# Altium PCB pqm_v2.PcbDoc (part 3 of 3)
Units mm, origin at the board's own origin, x right, y up, seen from the top; angles counter-clockwise.
Board outline 137 x 84 mm, 2 copper layers (Top Layer, Bottom Layer); 276 components, 232 nets, 965 pads, 175 vias.
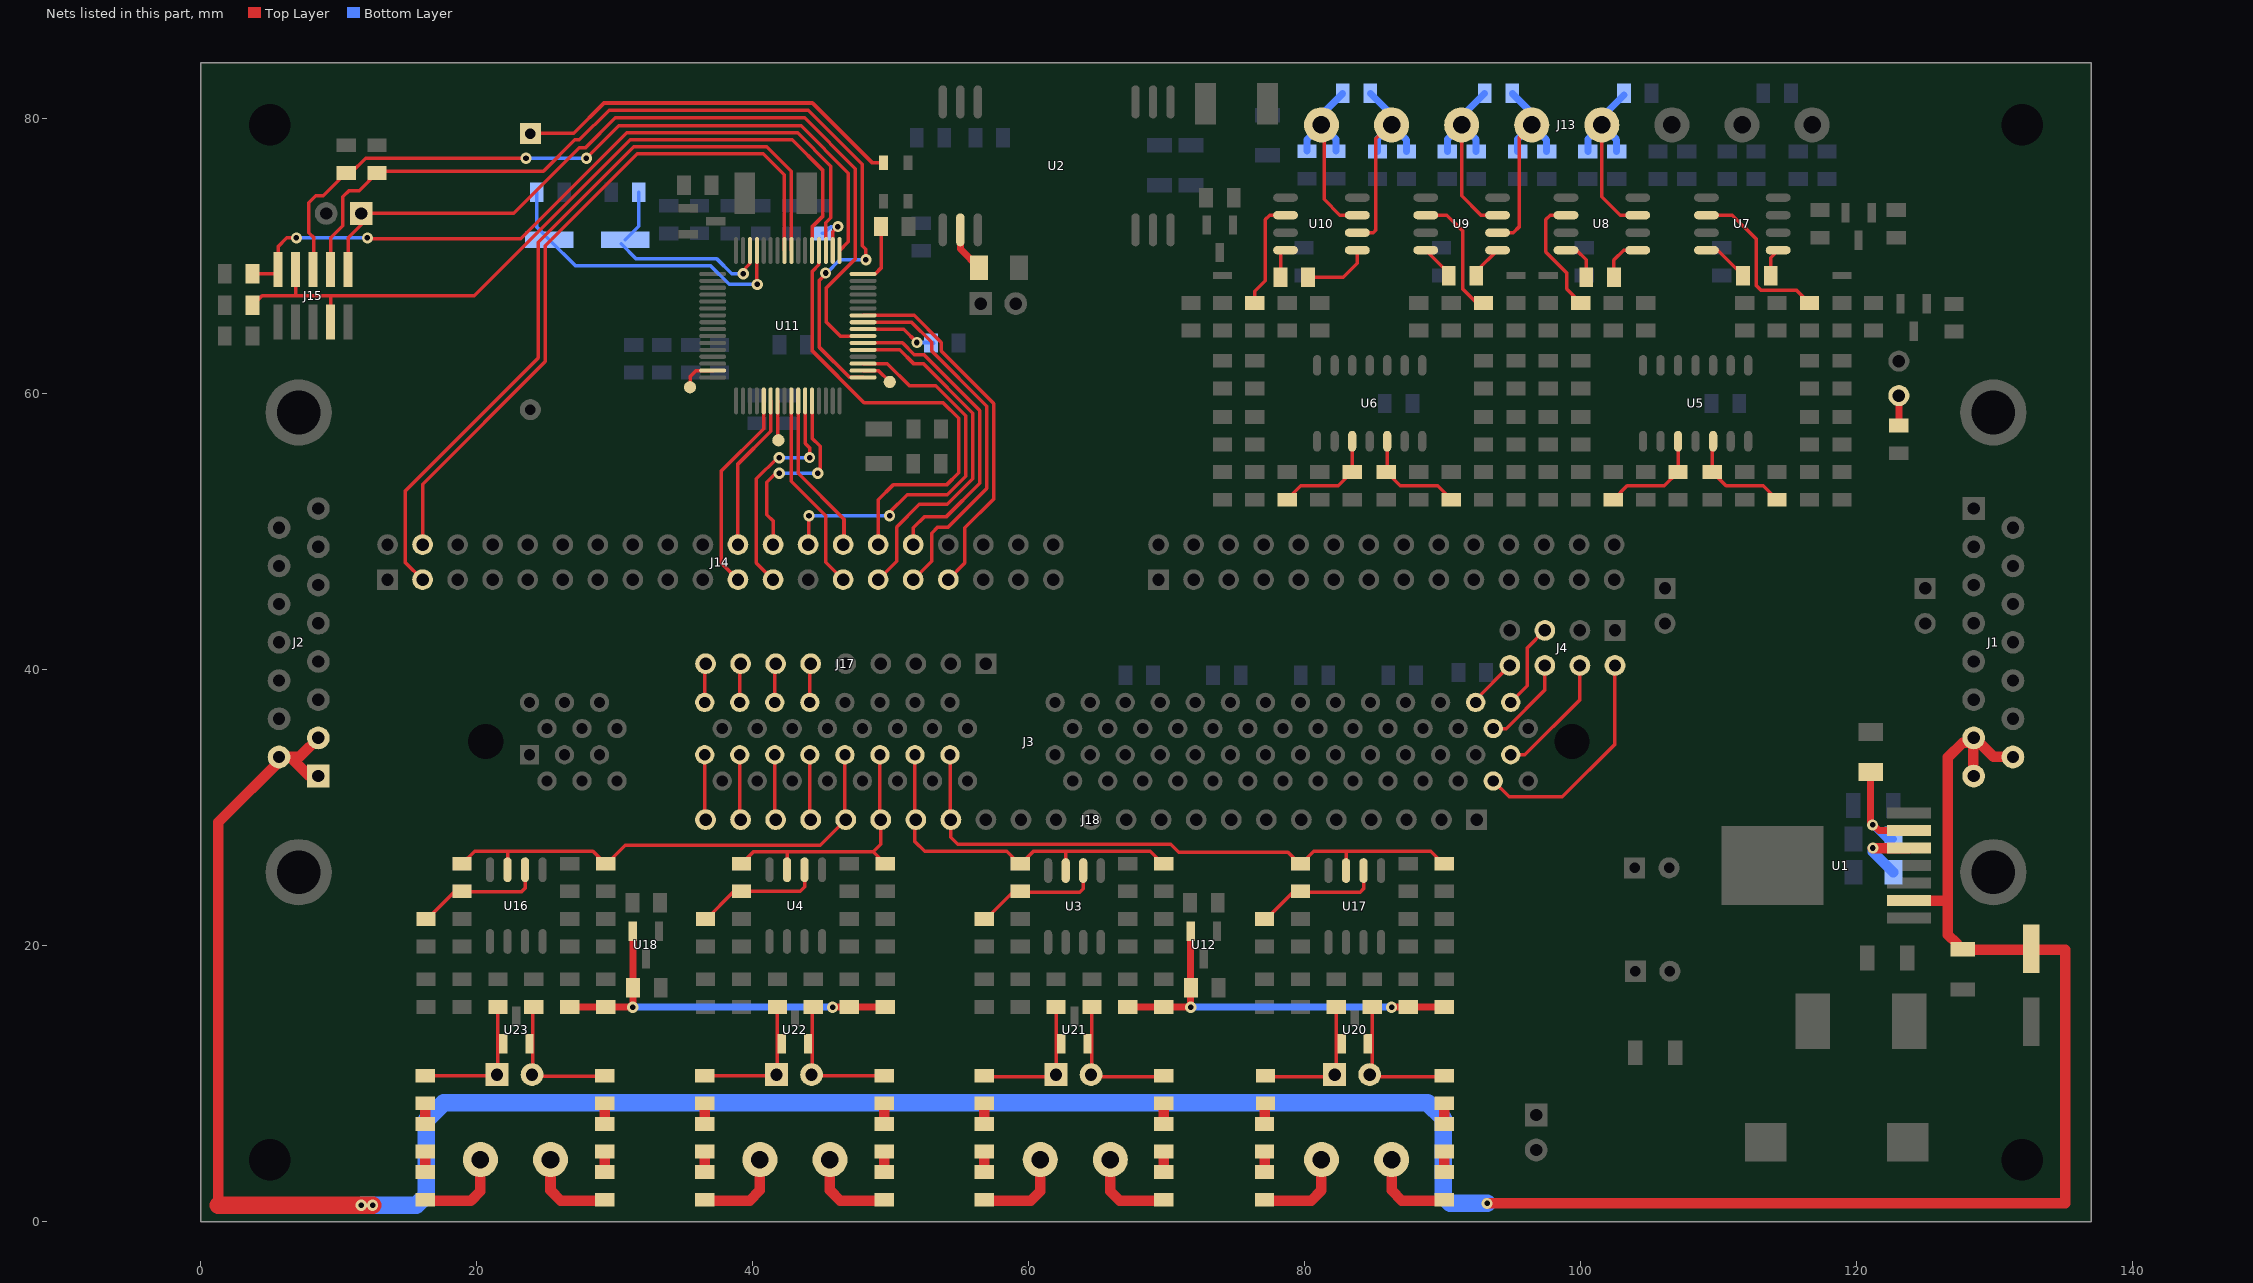
[diagram p3: the nets of this part, all layers, seen from the top]

## Via types
v1: diameter 0.813, hole 0.406, Top Layer to Bottom Layer, tented both sides, 163 vias
v2: diameter 1.397, hole 0.813, Top Layer to Bottom Layer, 12 vias

## Nets (pads, with @x,y where several pads share a name; then routed paths per layer and width w, separated by ;. In a path a pad name is that pad's centre, name@x,y a point inside that pad or via, vN(x,y) a via of type N, cw(c..) or ccw(c..) an arc to the next point about the centre after c; other vN are vias at no path point) (continued)
NetC82_2: C82.2 J13.4 R63.1 R113.1 U8.3 | length 16.5
  Top Layer w0.254: J13.4@101.536,79.502 101.536,74.295 102.87,72.962 U8.3@104.136,72.962
  Bottom Layer w0.508: C82.2@100.521,77.581 100.521,78.486 J13.4@101.536,79.502 102.616,78.423 R113.1@102.616,77.581 ; J13.4@100.727,79.248 R63.1@103.14,81.661
NetC83_1: C83.1 J13.5 R70.2 R115.2 U9.2 | length 17.6
  Top Layer w0.254: U9.2@93.976,71.691 95.123,71.691 95.567,72.136 95.567,78.613 J13.5@96.456,79.502
  Bottom Layer w0.508: R70.2@95.044,81.788 J13.5@97.456,79.375 ; C83.1@95.44,77.581 95.44,78.486 J13.5@96.456,79.502 97.536,78.422 R115.2@97.536,77.581
NetC84_2: C84.2 J13.6 R70.1 R117.1 U9.3 | length 16.4
  Top Layer w0.254: J13.6@91.376,79.502 91.376,74.358 92.773,72.962 U9.3@93.976,72.962
  Bottom Layer w0.508: C84.2@90.337,77.581 90.337,78.462 J13.6@91.376,79.502 92.432,78.446 R117.1@92.432,77.581 ; J13.6@90.63,79.375 R70.1@93.044,81.788
NetC85_1: C85.1 J13.7 R76.2 R119.2 U10.2 | length 18.5
  Top Layer w0.254: U10.2@83.816,71.691 84.963,71.691 85.153,71.882 85.153,78.486 J13.7@86.169,79.502
  Bottom Layer w0.508: R76.2@84.757,81.788 J13.7@87.233,79.312 ; C85.1@85.28,77.581 85.28,78.486 J13.7@86.296,79.502 ; J13.7@86.296,78.661 J13.7@86.296,79.502 ; R119.2@87.376,77.581 87.376,78.422 J13.7@86.296,79.502
NetC86_2: C86.2 J13.8 R76.1 R121.1 U10.3 | length 16.4
  Top Layer w0.254: J13.8@81.216,79.502 81.407,79.311 81.407,74.105 82.55,72.962 U10.3@83.816,72.962
  Bottom Layer w0.508: C86.2@80.161,77.598 80.161,78.446 J13.8@81.216,79.502 82.256,78.462 R121.1@82.256,77.598 ; J13.8@80.407,79.439 R76.1@82.757,81.788
NetD3_2: D3.2 J19.1 | length 28.2
  Top Layer w0.254: J19.1@24.003,78.898 27.018,78.898 29.21,81.09 44.323,81.09 48.638,76.775 D3.2@49.466,76.775
NetD8_1: D8.1 R102.1 | length 2.2
  Top Layer w0.508: R102.1@123.063,57.705 D8.1@123.063,59.88
NetJ3_7: J3.7 J18.23 | length 4.7
  Top Layer w0.254: J18.23@36.513,29.146 J3.7@36.513,33.848
NetJ3_9: J3.9 J18.22 | length 4.7
  Top Layer w0.254: J18.22@39.053,29.146 J3.9@39.053,33.848
NetJ3_11: J3.11 J18.21 | length 4.7
  Top Layer w0.254: J18.21@41.593,29.146 J3.11@41.593,33.848
NetJ3_13: J3.13 J18.20 | length 5
  Top Layer w0.254: J18.20@44.133,28.829 J3.13@44.133,33.848
NetJ3_57: J3.57 J17.9 | length 2.7
  Top Layer w0.254: J3.57@36.513,37.648 J17.9@36.513,40.386
NetJ3_59: J3.59 J17.8 | length 2.7
  Top Layer w0.254: J3.59@39.053,37.648 J17.8@39.053,40.386
NetJ3_61: J3.61 J17.7 | length 2.7
  Top Layer w0.254: J3.61@41.593,37.648 J17.7@41.593,40.386
NetJ3_63: J3.63 J17.6 | length 2.7
  Top Layer w0.254: J3.63@44.133,37.648 J17.6@44.133,40.386
NetJ5_1: J5.1 R19.2 | length 6.7
  Top Layer w0.762: R19.2@77.089,1.54 80.47,1.54 81.216,2.286 J5.1@81.216,4.508
NetJ5_2: J5.2 R25.2 | length 6.3
  Top Layer w0.762: J5.2@86.296,4.508 86.296,2.286 87.043,1.54 R25.2@90.107,1.54
NetJ6_1: J6.1 R21.2 R123.1 U20.1 | length 9.7
  Top Layer w0.254: R123.1@77.153,10.525 81.518,10.525 82.296,11.303 R21.2@82.296,15.573
NetJ6_2: J6.2 R26.1 R27.2 U20.2 | length 10
  Top Layer w0.254: J6.2@84.709,11.303 85.487,10.525 R26.1@90.107,10.525 ; J6.2@84.9,11.303 R27.2@84.9,15.573
NetJ7_1: J7.1 R5.2 | length 6.6
  Top Layer w0.762: R5.2@56.769,1.54 60.15,1.54 60.833,2.222 J7.1@60.833,4.508
NetJ7_2: J7.2 R11.2 | length 6.4
  Top Layer w0.762: J7.2@65.913,4.508 65.913,2.222 66.596,1.54 R11.2@69.787,1.54
NetJ8_1: J8.1 R7.1 R120.2 U21.1 | length 10
  Top Layer w0.254: R7.1@56.769,10.525 61.198,10.525 61.658,10.986 61.992,10.986 61.976,11.001 R120.2@61.976,15.573
NetJ8_2: J8.2 R13.1 R122.2 U21.2 | length 9.8
  Top Layer w0.254: R122.2@64.58,15.573 64.579,15.192 64.579,11.239 65.294,10.525 R13.1@69.787,10.525
NetJ9_1: J9.1 R33.2 | length 6.5
  Top Layer w0.762: R33.2@36.513,1.54 39.767,1.54 40.513,2.286 J9.1@40.513,4.508
NetJ9_2: J9.2 R118.2 | length 6.5
  Top Layer w0.762: J9.2@45.593,4.508 45.593,2.286 46.339,1.54 R118.2@49.53,1.54
NetJ10_1: J10.1 R34.1 R35.2 U22.1 | length 9.6
  Top Layer w0.254: R34.1@36.513,10.604 41.021,10.604 41.719,11.303 41.783,11.367 41.783,15.256 R35.2@41.847,15.192
NetJ10_2: J10.2 R40.1 R41.2 U22.2 | length 9.8
  Top Layer w0.254: R41.2@44.387,15.573 44.323,15.51 44.323,11.239 44.958,10.604 R40.1@49.53,10.604
NetJ11_1: J11.1 R47.2 | length 6.6
  Top Layer w0.762: R47.2@16.256,1.54 19.574,1.54 20.256,2.222 J11.1@20.256,4.508
NetJ11_2: J11.2 R114.2 | length 6.5
  Top Layer w0.762: J11.2@25.336,4.508 25.336,2.286 26.083,1.54 R114.2@29.274,1.54
NetJ12_1: J12.1 R48.1 R49.2 U23.1 | length 9.8
  Top Layer w0.254: R48.1@16.256,10.588 20.748,10.588 21.526,11.367 R49.2@21.527,15.573
NetJ12_2: J12.2 R54.1 R55.2 U23.2 | length 9.9
  Top Layer w0.254: R55.2@24.13,15.573 24.066,15.51 24.066,11.239 24.765,10.541 R54.1@29.274,10.541
NetR1_2: R1.2 R3.1 U1.6 | length 8.9
  Top Layer w0.508: R1.2@121.021,32.956 121.021,28.966 121.625,28.362 U1.6@123.793,28.362
  Bottom Layer w0.508: v1(121.158,28.765) 122.174,27.749 R3.1@122.671,27.749
NetR2_2: R2.2 U1.5 | length 5
  Top Layer w0.762: v1(121.18,27.092) U1.5@123.793,27.092
  Bottom Layer w0.762: v1(121.18,27.092) 121.18,26.828 R2.2@122.672,25.336
NetR4_1: R4.1 R17.2 U3.6 | length 9.5
  Top Layer w0.254: R4.1@56.769,21.828 58.833,23.892 63.706,23.892 63.944,24.13 U3.6@63.944,25.46
NetR5_1: R5.1 R6.2 | length 1.5
  Top Layer w0.762: R5.1@56.769,3.54 R5.1@56.769,3.603 R6.2@56.769,5.032
NetR6_1: R6.1 R7.2 | length 1.5
  Top Layer w0.762: R6.1@56.769,7.032 R6.1@56.769,7.096 R7.2@56.769,8.525
NetR11_1: R11.1 R12.2 | length 1.5
  Top Layer w0.762: R11.1@69.787,3.54 R11.1@69.787,3.603 R12.2@69.787,5.032
NetR12_1: R12.1 R13.2 | length 1.5
  Top Layer w0.762: R12.1@69.787,7.032 R12.1@69.787,7.096 R13.2@69.787,8.525
NetR18_1: R18.1 U7.8 | length 3.4
  Top Layer w0.254: U7.8@109.114,70.421 109.935,70.421 R18.1@111.776,68.58
NetR18_2: R18.2 U7.1 | length 2.1
  Top Layer w0.254: R18.2@113.776,68.58 113.776,69.884 U7.1@114.314,70.421
NetR19_1: R19.1 R20.2 | length 1.5
  Top Layer w0.762: R19.1@77.089,3.54 R19.1@77.089,3.603 R20.2@77.089,5.032
NetR20_1: R20.1 R123.2 | length 1.4
  Top Layer w0.762: R20.1@77.089,7.032 R20.1@77.089,7.096 R123.2@77.089,8.461
NetR25_1: R25.1 R124.2 | length 1.5
  Top Layer w0.762: R25.1@90.107,3.54 R25.1@90.107,3.603 R124.2@90.107,5.032
NetR26_2: R26.2 R124.1 | length 1.5
  Top Layer w0.762: R124.1@90.107,7.032 R124.1@90.107,7.096 R26.2@90.107,8.525
NetR28_2: R28.2 R31.1 U17.6 | length 9.5
  Top Layer w0.254: R31.1@77.089,21.828 79.153,23.892 84.026,23.892 84.264,24.13 U17.6@84.264,25.46
NetR33_1: R33.1 R116.2 | length 1.5
  Top Layer w0.762: R33.1@36.513,3.619 R116.2@36.513,5.096 R116.2@36.513,5.112
NetR34_2: R34.2 R116.1 | length 1.5
  Top Layer w0.762: R116.1@36.513,7.112 R34.2@36.513,8.588 R34.2@36.513,8.604
NetR39_1: R39.1 R40.2 | length 1.5
  Top Layer w0.762: R39.1@49.53,7.112 R40.2@49.53,8.588 R40.2@49.53,8.604
NetR39_2: R39.2 R118.1 | length 1.5
  Top Layer w0.762: R118.1@49.53,3.619 R39.2@49.53,5.096 R39.2@49.53,5.112
NetR42_2: R42.2 R45.1 U4.6 | length 9.4
  Top Layer w0.254: R45.1@36.576,21.891 38.64,23.955 R42.2@39.18,23.955 43.434,23.955 43.752,24.273 U4.6@43.752,25.523
NetR47_1: R47.1 R112.2 | length 1.5
  Top Layer w0.762: R47.1@16.256,3.603 R112.2@16.256,5.096
NetR48_2: R48.2 R112.1 | length 1.5
  Top Layer w0.762: R112.1@16.256,7.096 R48.2@16.256,8.588
NetR53_1: R53.1 R54.2 | length 1.5
  Top Layer w0.762: R53.1@29.274,7.096 R54.2@29.274,8.588
NetR53_2: R53.2 R114.1 | length 1.5
  Top Layer w0.762: R114.1@29.274,3.603 R53.2@29.274,5.096
NetR56_2: R56.2 R59.1 U16.6 | length 9.5
  Top Layer w0.254: R59.1@16.32,21.875 18.384,23.939 23.241,23.939 23.495,24.194 U16.6@23.495,25.523
NetR60_1: R60.1 U2.16 | length 3.2
  Top Layer w0.508: U2.16@55.038,71.835 55.038,70.512 R60.1@56.399,69.151
NetR64_1: R64.1 U8.8 | length 2.6
  Top Layer w0.254: U8.8@98.937,70.421 99.695,70.421 100.393,69.723 R64.1@100.393,68.897
NetR64_2: R64.2 U8.1 | length 3.3
  Top Layer w0.254: R64.2@102.41,68.453 102.41,69.707 103.124,70.421 U8.1@104.136,70.421
NetR65_2: R65.2 U7.6 | length 12.1
  Top Layer w0.254: U7.6@109.097,72.962 U7.6@109.114,72.962 110.998,72.962 112.712,71.247 112.712,67.882 113.093,67.501 115.665,67.501 R65.2@116.586,66.579
NetR68_1: R68.1 R69.2 U5.12 | length 7.9
  Top Layer w0.254: R68.1@109.538,54.213 109.538,56.496 U5.12@109.601,56.559 ; R68.1@109.538,54.34 110.538,53.34 113.236,53.34 R69.2@114.237,52.34
NetR71_1: R71.1 U9.8 | length 2.6
  Top Layer w0.254: U9.8@88.853,70.421 U9.8@88.777,70.421 90.44,68.758 R71.1@90.44,68.58
NetR71_2: R71.2 U9.1 | length 2.5
  Top Layer w0.254: R71.2@92.44,68.58 92.44,68.885 U9.1@93.976,70.421
NetR77_1: R77.1 U10.8 | length 1.6
  Top Layer w0.254: R77.1@78.248,68.453 78.248,70.053
NetR77_2: R77.2 U10.1 | length 4.9
  Top Layer w0.254: R77.2@80.248,68.453 82.804,68.453 83.816,69.465 U10.1@83.816,70.421
NetR78_2: R78.2 U8.6 | length 8.7
  Top Layer w0.254: U8.6@98.937,72.962 97.79,72.962 97.472,72.644 97.472,70.294 98.996,68.77 98.996,67.611 R78.2@100.012,66.596
NetR81_1: R81.1 R82.2 U5.10 | length 7.9
  Top Layer w0.254: R82.2@102.362,52.34 103.362,53.34 106.061,53.34 R81.1@107.061,54.34 ; R81.1@107.061,54.213 U5.10@107.061,56.559
NetR91_2: R91.2 U9.6 | length 9.4
  Top Layer w0.254: U9.6@88.777,72.962 90.297,72.962 91.44,71.819 91.44,67.627 92.472,66.596 R91.2@92.964,66.596 R91.2@92.9,66.659
NetR94_1: R94.1 R95.2 U6.12 | length 7.9
  Top Layer w0.254: R94.1@85.979,54.292 U6.12@85.979,56.572 U6.12@85.979,56.575 ; R94.1@85.979,54.419 85.916,54.356 86.932,53.34 89.631,53.34 R95.2@90.615,52.356
NetR96_2: R96.2 U11.50 | length 3.2
  Top Layer w0.254: U11.50@45.792,70.4 45.792,71.756 v1(46.165,72.129)
  Bottom Layer w0.254: R96.2@45.022,71.637 45.165,71.637 45.657,72.129 v1(46.165,72.129)
NetR97_2: R97.2 U11.40 | length 5.5
  Top Layer w0.254: U11.40@47.992,64.7 50.928,64.7 v1(51.896,63.731)
  Bottom Layer w0.254: v1(51.896,63.731) 53.062,63.731 R97.2@53.102,63.691
NetR104_2: R104.2 U10.6 | length 8.3
  Top Layer w0.254: R104.2@76.391,66.484 R104.2@76.391,66.579 ; R104.2@76.622,66.579 R104.2@76.391,66.579 ; U10.6@78.617,72.962 77.47,72.962 77.153,72.644 77.153,68.199 76.391,67.437 R104.2@76.391,66.579
NetR107_1: R107.1 R108.2 U6.10 | length 7.9
  Top Layer w0.254: R108.2@78.74,52.356 79.724,53.34 82.423,53.34 R107.1@83.439,54.356 ; R107.1@83.439,54.229 U6.10@83.439,56.572 U6.10@83.439,56.575
NetR109_1: R109.1 U11.48 | length 4.2
  Top Layer w0.254: U11.48@47.992,68.7 48.864,68.7 49.292,69.128 R109.1@49.292,71.882
PA6: pad.34 U11.34 | length 2.3
  Top Layer w0.254: U11.34@47.992,61.7 49.102,61.7 pad.34@49.928,60.874
PA23: pad.2@35.45,60.493 U11.15 | length 2.6
  Top Layer w0.254: pad.2@35.45,60.493 35.45,61.255 35.895,61.7 U11.15@37.092,61.7
PA24: pad.2@41.851,56.642 U11.23 | length 2.9
  Top Layer w0.254: U11.23@41.792,59.499 41.792,56.702 pad.2@41.851,56.642
PB8: C95.1 U11.61 Y2.1 | length 22.7
  Top Layer w0.254: U11.61@40.292,70.4 40.292,67.976 v1(40.322,67.945)
  Bottom Layer w0.254: C95.1@24.337,74.612 24.337,72.1 Y2.1@25.254,71.183 27.159,69.278 36.957,69.278 38.291,67.945 v1(40.322,67.945)
PB9: C96.1 U11.62 Y2.2 | length 15.4
  Top Layer w0.254: v1@39.187,68.827 39.792,69.431 U11.62@39.792,70.4
  Bottom Layer w0.254: Y2.2@30.458,70.888 31.559,69.787 37.401,69.787 38.481,68.707 v1(39.306,68.707) ; Y2.2@30.753,71.183 31.734,72.164 C96.1@31.734,74.613
R\E\S\E\T\: J15.10 J16.1 U11.39 | length 60.1
  Top Layer w0.254: J15.10@10.668,69.025 10.668,71.31 11.62,72.263 J16.1@11.62,73.088 22.669,73.088 27.432,77.851 27.877,77.851 30.035,80.01 43.752,80.01 47.435,76.326 47.435,70.421 47.435,70.039 ; 47.434,70.421 47.434,70.039 47.434,69.781 45.34,67.686 45.34,65.208 46.348,64.2 U11.39@47.992,64.2
SD_CD: J14.27 U11.25 | length 14.5
  Top Layer w0.254: U11.25@42.791,59.499 42.791,53.665 45.276,51.181 45.276,47.816 J14.27@46.545,46.545
SD_MCCDA: J14.32 U11.38 | length 23.1
  Top Layer w0.254: U11.38@47.992,63.7 50.848,63.7 51.706,62.842 52.41,62.842 56.451,58.801 56.451,53.53 54.038,51.117 52.451,51.117 51.625,50.292 J14.32@51.625,49.085
SD_MCCK: J14.31 U11.41 | length 27.1
  Top Layer w0.254: U11.41@47.992,65.2 51.505,65.2 52.959,63.746 52.959,63.119 56.959,59.118 56.959,53.149 54.165,50.355 53.404,50.355 52.959,49.911 52.959,47.879 J14.31@51.625,46.545
SD_MCDA0: J14.33 U11.42 | length 26.6
  Top Layer w0.254: U11.42@47.992,65.7 51.688,65.7 53.657,63.73 53.657,63.119 57.468,59.309 57.468,52.387 55.372,50.292 55.372,47.752 J14.33@54.165,46.545
SD_MCDA1: J14.30 U11.52 | length 33.9
  Top Layer w0.254: U11.52@44.792,70.4 44.792,69.364 44.324,68.896 44.324,63.112 48.063,59.372 53.785,59.372 54.927,58.229 54.927,54.292 54.038,53.404 50.165,53.404 49.085,52.324 J14.30@49.085,49.085
SD_MCDA2: J14.28 U11.26 | length 11.8
  Top Layer w0.254: U11.26@43.292,59.499 43.292,54.244 46.609,50.927 J14.28@46.609,49.085
SD_MCDA3: J14.29 U11.37 | length 25.9
  Top Layer w0.254: U11.37@47.992,63.2 50.65,63.2 51.642,62.207 52.347,62.207 55.944,58.61 55.944,53.848 54.102,52.006 52.07,52.006 50.419,50.355 50.419,47.879 J14.29@49.085,46.545
SPI_MISO: J14.23 U11.27 | length 16.5
  Top Layer w0.254: J14.23@41.465,46.545 40.259,47.752 40.259,53.848 41.799,55.388 v1@42.211,55.388 ; U11.27@43.791,59.499 43.791,56.412 44.116,56.087 v1(44.116,55.388)
  Bottom Layer w0.254: v1@42.211,55.388 v1(44.116,55.388)
  other v1: 41.91,55.372
SPI_MOSI: J14.22 U11.22 | length 11.4
  Top Layer w0.254: J14.22@38.925,49.085 38.925,54.927 41.291,57.293 U11.22@41.291,59.499
SPI_NPCS0: J14.24 U11.28 | length 14.1
  Top Layer w0.254: J14.24@41.465,49.085 41.465,50.8 41.021,51.244 41.021,53.594 v1@41.783,54.356 ; U11.28@44.292,59.499 44.292,56.8 44.878,56.214 44.878,54.429 v1(44.704,54.254)
  Bottom Layer w0.254: v1(41.91,54.254) v1(44.704,54.254)
SPI_NPCS3: J14.26 U11.35 | length 27.9
  Top Layer w0.254: J14.26@44.069,49.085 v1(44.069,51.181) ; U11.35@47.992,62.2 49.745,62.2 51.356,60.588 53.268,60.588 55.435,58.42 55.435,54.038 54.102,52.705 51.181,52.705 v1@49.911,51.435
  Bottom Layer w0.254: v1(44.069,51.181) v1(49.911,51.181)
SPI_SPCK: J14.21 U11.21 | length 14.7
  Top Layer w0.254: J14.21@38.925,46.545 37.719,47.752 37.719,54.419 40.792,57.492 U11.21@40.792,59.499
TCK: J15.4 J15.7 R89.1 U11.53 | length 57.1
  Top Layer w0.254: R89.1@3.73,66.421 4,66.691 4.429,67.12 6.858,67.12 9.398,67.12 ; 6.858,67.183 J15.4@6.858,69.025 ; J15.7@9.398,65.215 9.398,67.12 ; U11.53@44.292,70.4 44.292,72.105 45.085,72.898 45.085,76.2 42.862,78.422 31.115,78.422 19.812,67.12 9.398,67.12
TCK_DSP: J3.48 J4.2 | length 16.6
  Top Layer w0.254: J3.48@93.663,31.948 94.813,30.797 98.679,30.797 102.489,34.608 J4.2@102.489,40.322
TDI: J15.8 R83.1 U11.33 | length 67.7
  Top Layer w0.254: J15.8@9.398,69.025 9.398,71.31 10.287,72.2 10.287,74.295 10.731,74.739 11.477,74.739 R83.1@12.763,76.026 ; R83.1@12.874,76.136 24.828,76.136 27.107,78.415 27.218,78.415 27.225,78.422 27.432,78.422 29.584,80.575 44.012,80.575 47.942,76.644 47.942,70.739 48.197,70.485 v1(48.197,69.723) v1@48.006,69.913 ; v1(45.276,68.77) 45.333,68.77 45.34,68.764 44.832,68.256 44.832,63.372 47.004,61.2 U11.33@47.992,61.2
  Bottom Layer w0.254: v1(45.276,68.77) 45.333,68.77 45.34,68.764 46.299,69.723 v1(48.197,69.723)
TDI_DSP: J3.97 J4.8 | length 3.7
  Top Layer w0.254: J3.97@92.393,37.648 92.393,37.846 J4.8@94.869,40.322
TDO: J15.6 R84.1 U11.49 | length 53.3
  Top Layer w0.254: J15.6@8.191,69.088 8.191,71.31 7.81,71.691 7.81,73.85 8.319,74.358 8.874,74.358 R84.1@10.541,76.026 ; R84.1@10.875,76.026 11.938,77.089 v1(23.558,77.089) ; v1(27.94,77.089) 30.29,79.438 43.497,79.438 46.927,76.009 46.927,71.035 U11.49@46.291,70.4
  Bottom Layer w0.254: v1(23.558,77.089) v1(27.94,77.089)
TDO_DSP: J3.98 J4.6 | length 6.7
  Top Layer w0.254: J3.98@93.663,35.748 94.613,35.748 97.409,38.544 J4.6@97.409,40.322
TMS: J15.2 R90.1 U11.51 | length 54
  Top Layer w0.254: R90.1@3.73,68.707 J15.2@5.588,68.707 ; J15.2@5.588,69.025 5.588,70.675 6.223,71.31 v1(6.921,71.31) ; v1@12.065,71.247 23.177,71.247 30.861,78.93 43.243,78.93 45.657,76.517 45.657,72.779 45.276,72.399 U11.51@45.276,70.732
  Bottom Layer w0.254: v1(6.921,71.31) v1(12.065,71.31)
TMS_DSP: J3.49 J4.4 | length 9.1
  Top Layer w0.254: J3.49@94.933,33.848 95.951,33.848 99.949,37.846 J4.4@99.949,40.322
TRSTN: J3.99 J4.5 | length 6.2
  Top Layer w0.254: J3.99@94.933,37.648 96.139,38.854 96.139,41.593 J4.5@97.409,42.862
USB_DDM: J14.3 U11.56 | length 56.7
  Top Layer w0.254: J14.3@16.066,46.545 14.795,47.816 14.795,52.959 24.447,62.611 24.447,70.993 31.369,77.915 41.021,77.915 42.791,76.144 U11.56@42.791,70.4
USB_DDP: J14.4 U11.57 | length 51.5
  Top Layer w0.254: J14.4@16.066,49.085 16.066,53.467 24.956,62.357 24.956,70.739 31.623,77.406 40.767,77.406 42.292,75.882 U11.57@42.292,70.4
VIN: C2.1 C3.1 J1.7 J1.8 J1.15 J2.1 J2.2 J2.9 U1.2 | length 235.1
  Top Layer w0.762: 1.27,1.206 1.27,28.956 6.004,33.69 7.122,33.69 7.872,34.44 ; J2.9@6.487,33.69 J2.1@7.872,32.305 ; v1(93.218,1.333) 135.128,1.333 135.128,19.731 C3.1@127.906,19.731 ; U1.2@123.793,23.282 126.619,23.282 ; C3.1@127.254,19.939 127.254,20.183 126.619,20.818 126.619,33.655 127.698,34.734 128.905,34.734 129.949,33.69 J1.15@130.546,33.69 ; J1.8@128.46,33.005 J1.7@128.46,35.075
  Top Layer w1.27: 1.27,1.206 v1(12.446,1.206)
  Bottom Layer w1.27: v1@11.7,1.206 15.621,1.206 16.319,1.905 16.319,7.366 17.59,8.636 88.9,8.636 90.043,7.493 90.043,1.841 90.551,1.333 v1(93.218,1.333)
  other v1: 11.62,1.206
VL1: C16.2 J3.21 J18.16 R28.1 U17.7 | length 44.7
  Top Layer w0.254: J18.16@54.293,29.146 J3.21@54.293,33.848 ; J18.16@54.356,29.146 54.356,27.877 54.864,27.368 70.294,27.368 70.866,26.797 78.788,26.797 79.693,25.892 80.661,26.86 82.995,26.86 ; U17.7@82.995,25.46 82.995,26.86 ; C16.2@90.106,25.892 89.138,26.86 82.995,26.86
VL2: C9.2 J3.19 J18.17 R17.1 U3.7 | length 27.2
  Top Layer w0.254: J3.19@51.753,33.848 51.753,27.559 52.451,26.86 58.404,26.86 59.373,25.892 60.341,26.86 62.674,26.86 ; U3.7@62.674,25.46 62.674,26.86 ; C9.2@69.786,25.892 68.818,26.86 62.674,26.86
VL3: C74.2 J3.17 J18.18 R42.1 U4.7 | length 19.2
  Top Layer w0.254: R42.1@39.18,25.955 40.046,26.822 48.727,26.822 ; U4.7@42.481,25.523 42.481,26.75 ; J18.18@49.213,29.146 J3.17@49.213,33.848 ; C74.2@49.276,26.273 48.727,26.822 ; J18.18@49.276,29.146 49.276,27.372 48.727,26.822
VL4: C28.2 J3.15 J18.19 R56.1 U16.7 | length 35.9
  Top Layer w0.254: R56.1@18.923,25.939 19.844,26.86 28.416,26.86 C28.2@29.337,25.94 ; U16.7@22.225,25.523 22.225,26.797 ; C28.2@29.337,25.876 30.766,27.305 44.895,27.305 J18.19@46.736,29.146 ; J18.19@46.673,29.146 J3.15@46.673,33.848
VL_1V5_A: C10.1 C17.1 C73.1 R15.2 R29.2 U12.2 | length 28.8
  Top Layer w0.508: R15.2@67.183,15.573 C10.1@69.786,15.574 ; C10.1@69.866,15.494 C10.1@69.786,15.574 ; v1(71.739,15.557) v1@71.723,15.574 ; U12.2@71.742,21.066 71.739,21.063 71.739,15.574 v1@71.723,15.574 ; v1(86.296,15.557) 87.487,15.557 R29.2@87.503,15.573 ; R29.2@87.233,15.573 R29.2@87.503,15.573 ; C17.1@90.106,15.574 R29.2@87.503,15.573 ; C10.1@69.786,15.574 v1@71.723,15.574
  Bottom Layer w0.508: v1@71.806,15.557 v1(86.296,15.557)
VL_1V5_B: C22.1 C29.1 C90.1 R43.2 R57.2 U18.2 | length 28.7
  Top Layer w0.508: R57.2@26.734,15.573 31.305,15.573 31.305,16.939 C90.1@31.308,16.941 ; U18.2@31.308,21.066 C90.1@31.308,16.941 ; C90.1@31.322,16.955 C90.1@31.308,16.941 ; v1(45.783,15.557) R43.2@46.672,15.557 ; R43.2@46.974,15.557 R43.2@46.672,15.557 ; C22.1@49.593,15.574 R43.2@46.99,15.573 46.657,15.573 R43.2@46.672,15.557
  Bottom Layer w0.508: v1(31.305,15.557) v1(45.783,15.557)
pads on no net: J1.2 J1.3 J1.10 J1.11 J1.16 J1.17 J2.6 J2.13 J2.16 J2.17 J3.3 J3.4 J3.5 J3.16 J3.18 J3.20 J3.26 J3.28 J3.29 J3.33 J3.34 J3.35 J3.36 J3.40 J3.53 J3.54 J3.55 J3.66 J3.68 J3.70 J3.94 J3.101 J3.102 R32.2 R72.2 R85.2 R98.2 U2.3 U2.15 U2.28 U11.55 U20.3 U21.3 U22.3 U23.3

## Polygon pours and split planes (outlines as drawn)
+5V on Top Layer "GND" (solid, pour order 65): 13.97,21.844 13.97,12.827 12.065,12.827 12.065,34.671 13.97,34.671
+5V on Top Layer "GND" (solid, pour order 61): 35.496,23.368 35.496,12.827 34.036,12.827 34.036,21.844 34.353,22.162
+5V on Top Layer "GND" (solid, pour order 58): 55.562,14.034 55.562,12.827 55.499,12.763 50.8,12.763 50.8,14.034
+5V on Top Layer "GND" (solid, pour order 53): 91.694,15.684 91.694,12.89 91.885,12.7 94.678,12.7 94.678,15.684
VIN on Top Layer "GND" (solid, pour order 102): 0.508,0.508 0.508,33.678 6.475,33.678 6.487,33.69 7.872,35.075 9.461,33.486 9.461,12.763 10.795,11.43 10.795,0.508
VIN on Top Layer "GND" (solid, pour order 92): 135.128,20.32 135.128,3.81 132.651,1.333 130.175,1.333 93.218,1.333 93.218,0.508 136.462,0.508 136.462,20.32
3.3V_ISO on Top Layer "GND" (solid, pour order 90): 50.863,76.2 52.514,74.549 52.959,74.549 52.959,82.423 44.895,82.423 50.863,76.454 50.863,76.2
3.3V_ISO on Top Layer "GND" (solid, pour order 88): 61.785,46.545 61.785,45.212 63.373,45.212 63.373,83.502 9.461,83.502 9.461,78.041 19.621,78.041 23.431,81.852 51.117,81.852 52.625,80.344 52.625,69.231 61.785,60.071
+5V on Top Layer "GND" (solid, pour order 81): 103.759,7.395 103.759,3.873 94.488,3.873 94.488,13.563 103.842,13.563 103.906,13.589
+5V on Top Layer "GND" (solid, pour order 76): 12.7,13.462 13.589,13.462 13.589,21.463 17.081,24.956 17.081,26.479 18.796,28.194 22.479,28.194 19.875,30.797 19.875,30.861 19.875,40.576 18.669,41.783 9.474,41.783 7.872,43.385 7.857,43.37 0.445,43.37 0.445,36.449 0.456,36.46 5.032,36.46 6.417,37.845 7.872,37.845 9.082,37.845 12.7,34.227
+5V on Top Layer "GND" (solid, pour order 67): 34.319,13.399 35.208,13.399 35.208,22.734 37.367,24.893 35.05,24.893 33.208,23.051 33.208,20.926 33.145,20.863 34.165,19.842 34.319,19.842
+5V on Top Layer "GND" (solid, pour order 69): 74.803,13.462 75.692,13.462 75.692,22.796 77.851,24.956 75.533,24.956 73.692,23.114 73.692,20.989 73.628,20.925 74.649,19.905 74.803,19.905
+5V on Top Layer "GND" (solid, pour order 63): 51.054,13.462 55.308,13.462 55.308,22.86 57.387,24.938 53.005,24.938 51.117,23.05
AGND on Top Layer "GND" (solid, pour order 57): 133.286,16.256 129.603,16.256 128.588,17.272 126.746,17.272 126.746,11.557 133.286,11.557
3.3V_ISO on Top Layer "GND" (solid, pour order 84): 13.525,46.545 15.113,44.958 21.59,44.958 23.876,42.672 23.876,30.607 23.177,30.607 22.352,31.432 22.352,42.227 20.32,44.259 13.462,44.259
3.3V_ISO on Top Layer "GND" (solid, pour order 83): 0.508,50.673 0.508,46.355 9.461,46.355 11.557,44.259 13.652,44.259 13.652,47.498 13.525,47.625 4.953,47.625 1.905,50.673
3.3V_ISO on Top Layer "GND" (solid, pour order 95): 9.906,83.502 0.508,83.502 0.508,50.228 2.349,50.228 1.905,50.673 1.905,70.231 9.7,78.026 9.906,78.026
+5V on Top Layer "GND" (solid, pour order 71): 113.405,5.779 113.405,7.245 111.76,8.89 104.775,8.89 103.906,9.759 103.759,9.906 103.759,11.493 101.282,11.493 101.282,5.779
+5V on Top Layer "GND" (solid, pour order 93): 124.142,81.597 124.142,83.502 76.2,83.502 76.2,78.041 76.644,77.597 78.549,77.597 78.549,81.597
NetC32_1 on Top Layer "GND" (solid, pour order 91): 73.343,83.185 73.977,82.55 73.977,80.073 73.977,79.375 73.343,78.74 68.961,78.74 68.263,79.438 68.263,82.55 68.897,83.185
3.3V_ISO on Top Layer "GND" (solid, pour order 87): 13.525,46.545 13.525,49.085 12.128,47.688 12.128,47.625 13.208,46.545 13.525,46.545
NetC1_2 on Top Layer "GND" (solid, pour order 85): 121.475,4.508 125.031,4.508 125.031,21.971 124.904,21.844 122.618,21.844 122.618,16.764 121.475,15.621 121.475,15.494
NetC59_1 on Top Layer "GND" (solid, pour order 79): 42.292,61.898 43.791,63.398 43.791,66.033 43.728,66.097 43.181,66.097 40.636,63.553
AGND on Top Layer "GND" (solid, pour order 89): 66.04,70.04 66.675,69.406 71.438,69.406 72.072,70.04 72.072,73.85 71.438,74.486 69.913,74.486 66.675,74.486 66.04,73.85
+5V on Top Layer "GND" (solid, pour order 96): 125.09,66.548 125.09,71.109 122.863,73.336 121.092,73.336 121.092,78.489 117.983,81.597 124.142,81.597 134.302,71.438 134.302,66.548
AGND on Top Layer "GND" (solid, pour order 82): 107.061,10.795 106.47,11.386 106.47,27.603 106.406,27.666 109.664,30.924 119.062,30.924 119.697,30.29 119.697,20.764 118.554,19.621 118.554,11.43 117.919,10.795
NetC16_1 on Top Layer "GND" (solid, pour order 98): 87.503,21.828 87.503,23.892 90.107,23.892 90.107,21.828
NetC9_1 on Top Layer "GND" (solid, pour order 99): 67.183,21.828 69.786,21.828 69.786,23.892 67.183,23.892
NetC74_1 on Top Layer "GND" (solid, pour order 100): 46.99,21.812 46.99,23.876 49.593,23.876 49.593,21.812
NetC28_1 on Top Layer "GND" (solid, pour order 101): 26.734,21.812 26.734,23.876 29.337,23.876 29.4,23.812 29.4,21.876 29.337,21.812
+5V on Top Layer "GND" (solid, pour order 70): 114.935,7.112 112.776,9.271 101.473,9.271 101.473,3.873 114.935,3.873
+5V on Top Layer "GND" (solid, pour order 52): 94.488,13.081 94.488,15.113 91.757,15.113 91.694,15.176 91.694,30.353 105.855,30.353 103.906,28.404 103.906,13.101 103.886,13.081
+5V on Top Layer "GND" (solid, pour order 56): 99.758,29.845 103.886,33.972 103.886,45.276 98.489,45.276 98.489,50.355 120.713,50.355 120.713,35.369 111.125,35.369 105.6,29.845 105.537,29.845
+5V on Top Layer "GND" (solid, remove dead copper, pour order 59): 120.713,56.197 120.713,35.369 125.095,35.369 127.508,37.782 130.783,37.782 132.053,36.512 136.44,36.512 136.462,36.534 136.462,56.197
+5V on Top Layer "GND" (solid, pour order 66): 124.142,55.944 124.142,63.373 128.333,63.373 128.333,66.532 136.414,66.532 136.462,66.484 136.462,55.944
+5V on Top Layer "GND" (solid, pour order 68): 136.462,66.103 136.462,83.502 122.618,83.502 122.618,76.708 133.223,66.103
NetC54_1 on Top Layer "GND" (solid, pour order 55): 42.989,66.865 42.989,67.945 42.227,68.707 42.227,67.246 40.681,65.7 39.283,65.7 39.874,65.108 39.942,65.041 39.942,64.382 40.704,64.382
VIN on Top Layer "GND" (solid, pour order 62): 9.461,32.893 9.461,34.121 8.507,35.075 7.532,34.099 0.508,34.099 0.508,32.893
+5V on Top Layer "GND" (solid, pour order 73): 0.445,43.37 0.459,43.385 8.507,43.385 10.109,41.783 15.811,41.783 18.669,41.783 19.875,40.576 19.875,30.797
VIN on Top Layer "GND" (solid, pour order 78): 136.462,19.812 127.625,19.812 126.619,20.818 126.619,33.655 128.039,35.075 128.46,35.075 128.501,35.115 129.35,35.115 130.775,33.69 131.328,33.69 131.356,33.718 136.462,33.718
+5V on Top Layer "GND" (solid, pour order 54): 80.264,75.882 74.85,75.882 74.612,76.12 74.612,76.327 74.612,78.105 74.993,78.486 74.993,83.502 78.549,83.502 78.549,77.597
AGND on Bottom Layer "GND" (solid, pour order 77): 21.971,28.702 19.875,30.797 19.875,34.353 19.875,40.64 18.732,41.783 9.474,41.783 7.872,43.385 0.523,43.385 0.508,43.37 0.508,28.702
AGND on Bottom Layer "GND" (solid, pour order 60): 101.6,0.508 94.297,0.508 94.297,14.478 10.795,14.478 10.795,0.508 0.508,0.508 0.508,29.21 21.463,29.21 22.543,28.13 31.75,28.13 32.05,28.43 101.554,28.43 101.6,28.384
GND_ISO on Bottom Layer "GND" (solid, pour order 86): 0.508,83.502 0.508,46.355 9.461,46.355 11.557,44.259 47.561,44.259 48.514,45.212 63.373,45.212 63.373,83.502
AGND on Bottom Layer "GND" (solid, pour order 80): 101.854,44.259 65.849,44.259 65.849,43.561 65.024,42.735 50.292,42.735 49.34,41.783 35.496,41.783 34.417,40.703 34.417,30.797 31.75,28.13 101.79,28.13 101.854,28.067
AGND on Bottom Layer "GND" (solid, pour order 74): 99.554,83.526 65.835,83.526 65.835,43.648 99.554,43.648
AGND on Bottom Layer "GND" (solid, remove dead copper, pour order 64): 136.462,83.502 98.996,83.502 98.996,43.18 136.462,43.18
NetC32_1 on Bottom Layer "GND" (solid, pour order 94): 73.088,76.962 68.326,76.962 68.326,80.391 73.088,80.391
AGND on Bottom Layer "GND" (solid, pour order 72): 136.462,0.508 101.282,0.508 101.282,44.45 136.462,44.483
GND_ISO on Bottom Layer "GND" (solid, pour order 97): 19.685,44.259 20.32,44.259 22.352,42.227 22.352,31.432 23.177,30.607 31.115,30.607 31.941,31.432 31.941,41.783 34.417,44.259 34.925,44.259 34.925,44.895 19.685,44.895
AGND on Bottom Layer "GND" (solid, pour order 75): 5.715,43.37 8.572,43.37 10.16,41.783 11.367,41.783 11.367,41.275 11.303,41.212 5.715,41.212

## Other copper
Bottom Layer:
  pour cut-out: 94.297,27.178 100.203,27.178 100.203,27.432 94.297,27.432
  pour cut-out: 58.737,27.877 70.104,27.877 70.802,27.178 94.615,27.178 94.615,27.432 70.993,27.432 70.294,28.13 58.737,28.13
  pour cut-out: 54.61,36.131 54.61,35.242 55.562,34.417 55.562,33.401 54.673,32.512 54.673,31.559 55.372,30.861 58.293,30.861 58.293,28.13 59.055,28.13 59.055,27.877 57.975,27.877 57.975,30.607 55.245,30.607 54.419,31.432 54.419,32.639 55.308,33.528 55.308,34.29 54.356,35.115 54.356,36.258 55.499,37.401 55.499,38.036 56.578,39.116 57.34,39.116 57.34,38.862 56.706,38.862 55.753,37.91 55.753,37.274
  pour cut-out: 58.102,39.116 60.134,41.148 65.849,41.148 67.501,42.799 67.501,49.022 68.644,50.165 104.521,50.165 104.521,47.879 104.267,47.879 104.267,49.911 68.897,49.911 67.754,48.831 67.754,42.608 66.04,40.894 60.261,40.894 58.229,38.862 57.34,38.862 57.34,39.116

## Silkscreen, mask and mechanical layers (free items; w line width, h text height)
Top Overlay:
  circle w0.254: c132,79.5 r3.5
  circle w0.254: c132,4.5 r3.5
  circle w0.254: c5,4.5 r3.5
  circle w0.254: c5,79.5 r3.5
  lines w0.254: 0.508,46.346 7.47,46.346 ; 0.651,43.385 7.446,43.385 ; 9.207,42.672 10.096,41.783 18.669,41.783 19.875,40.576 19.875,36.131 ; 9.556,46.26 11.112,44.676 11.529,44.259 20.32,44.259 22.352,42.227 22.352,31.432 23.177,30.607 31.115,30.607 31.941,31.432 31.941,41.783 ; 10.795,0.508 10.795,14.478 21.082,14.478 ; 19.875,33.465 19.875,30.797 22.543,28.13 31.75,28.13 34.417,30.797 34.417,40.703 35.496,41.783 49.34,41.783 50.292,42.735 65.024,42.735 65.849,43.561 65.849,64.834 ; 24.638,14.478 41.275,14.478 ; 32.322,42.164 31.941,41.783 ; 44.895,14.478 61.531,14.478 ; 63.373,83.439 63.373,45.212 48.514,45.212 47.561,44.259 34.417,44.259 31.941,41.783 ; 65.215,14.478 81.852,14.478 ; 65.849,64.77 65.849,83.312 ; 74.041,67.31 74.041,68.135 ; 85.281,51.435 107.696,51.435 ; 85.407,14.478 94.297,14.478 94.297,0.508 92.837,0.508 ; 94.297,2.667 106.108,2.667 106.172,2.603 106.172,0.572 ; 95.313,67.31 95.313,68.135 ; 97.663,67.31 97.663,68.135 ; 101.854,3.937 95.504,3.937 95.504,9.017 101.917,9.017 101.917,4 ; 103.759,39.052 90.043,39.052 90.043,44.133 103.759,44.133 ; 107.632,43.307 123.317,43.307 ; 107.632,45.91 123.19,45.91 ; 118.935,67.31 118.935,68.135 ; 119.436,80.137 127.889,80.137 127.889,83.502 ; 0.508,0.508 136.462,0.508 136.462,83.502 0.508,83.502 0.508,0.508 ; 55.245,61.151 55.245,67.818 60.325,67.818 60.325,61.151 55.245,61.151 ; 111.061,35.369 111.061,41.846 119.634,41.846 119.634,35.369 111.061,35.369
  text "I2  I4" at 125.539,82.931 h1.02 r180
  text "I1  I3" at 127.317,81.852 h1.02 r180
  text "3V3" at 57.023,61.722 h1.02 r90
  text "GND" at 59.563,61.658 h1.02 r90
  text "Power" at 111.506,40.322 h1.02
  text "DSP" at 91.694,40.195 h1.02 r90
  text "JTAG" at 93.154,39.624 h1.02 r90
  text "Meter V2" at 111.506,38.925 h1.02
  text "(Rev A)" at 111.506,37.401 h1.02
  text "17/10/16" at 111.506,36.005 h1.02
  text "5V" at 98.425,7.302 h1.02
  text "GND" at 98.361,4.572 h1.02
  text "V4 V3 V2 V1" at 95.059,1.079 h1.02
Mechanical 1:
  lines w0.254: 0,14.5 137,14.5 ; 0,69.5 137,69.5 ; 5,4.5 132,4.5 ; 5,79.5 132,79.5 ; 20.24,0 20.24,4.5 ; 25.32,0 25.32,4.5 ; 30.4,0 30.4,4.5 ; 35.48,0 35.48,4.5 ; 40.56,0 40.56,4.5 ; 45.64,0 45.64,4.5 ; 50.72,0 50.72,4.5 ; 55.8,0 55.8,4.5 ; 60.88,0 60.88,4.5 ; 65.96,0 65.96,4.5 ; 71.04,0 71.04,4.5 ; 76.12,0 76.12,4.5 ; 81.2,0 81.2,4.5 ; 81.2,79.5 81.2,84 ; 86.28,0 86.28,4.5 ; 86.28,79.5 86.28,84 ; 91.36,0 91.36,4.5 ; 91.36,79.5 91.36,84 ; 96.44,0 96.44,4.5 ; 96.44,79.5 96.44,84 ; 101.52,79.5 101.52,84 ; 102.6,0 102.6,4.5 ; 106.6,79.5 106.6,84 ; 107.68,0 107.68,4.5 ; 111.68,79.5 111.68,84 ; 112.76,0 112.76,4.5 ; 116.76,79.5 116.76,84 ; 117.84,0 117.84,4.5 ; 0,0 137,0 137,84 0,84 0,0

## Dimensions
5,4.5 to 132,4.5 on Mechanical 1
5,79.5 to 5,4.5 on Mechanical 1
0,84 to 0,0 on Mechanical 1
0,0 to 5,4.5 on Mechanical 1
0,0 to 5,4.5 on Mechanical 1
0,0 to 137,0 on Mechanical 1
5,79.5 to 132,79.5 on Mechanical 1
0,84 to 5,79.5 on Mechanical 1
137,0 to 131.328,42 on Mechanical 1
5.667,42 to 0,0 on Mechanical 1
0,84 to 5.667,42 on Mechanical 1
137,84 to 131.328,42 on Mechanical 1

## Text inside footprints (layer, text, board x,y; h text height)
J1: Top Overlay "1" at 127.66,54.128 h1.02 r270; Top Overlay "8" at 127.66,30.316 h1.02 r270; Top Overlay "15" at 130.581,30.57 h1.02 r270; Top Overlay "9" at 130.708,54.573 h1.02 r270
J2: Top Overlay "9" at 6.286,29.427 h1.02 r90; Top Overlay "15" at 6.413,53.43 h1.02 r90; Top Overlay "8" at 9.335,53.684 h1.02 r90; Top Overlay "1" at 9.335,29.871 h1.02 r90
J3: Top Overlay "50" at 97.282,31.369 h1.02; Top Overlay "100" at 96.456,37.084 h1.02; Top Overlay "73" at 59.118,37.211 h1.02; Top Overlay "24" at 60.325,31.496 h1.02; Top Overlay "71" at 55.435,37.148 h1.02; Top Overlay "22" at 56.578,31.369 h1.02; Top Overlay "57" at 33.846,37.148 h1.02; Top Overlay "7" at 34.798,33.21 h1.02; Top Overlay "55" at 29.909,37.274 h1.02; Top Overlay "6" at 31.242,31.432 h1.02; Top Overlay "51" at 21.463,37.211 h1.02; Top Overlay "1" at 22.479,32.575 h1.02
J14: Top Overlay "3V3" at 62.293,50.673 h1.02 r90; Top Overlay "IO" at 59.753,51.244 h1.02 r90; Top Overlay "I2C" at 57.213,50.736 h1.02 r90; Top Overlay "HSMCI" at 48.387,51.625 h1.02; Top Overlay "SPI" at 40.259,51.562 h1.02; Top Overlay "IO" at 36.767,51.244 h1.02 r90; Top Overlay "GND" at 34.353,50.673 h1.02 r90; Top Overlay "ADC" at 26.226,51.625 h1.02; Top Overlay "GND" at 21.59,50.736 h1.02 r90; Top Overlay "DAC" at 19.05,50.736 h1.02 r90; Top Overlay "USB" at 16.51,50.736 h1.02 r90; Top Overlay "3V3" at 13.97,50.736 h1.02 r90